# Altium PCB Swarm.PcbDoc (part 1 of 2) (continued)
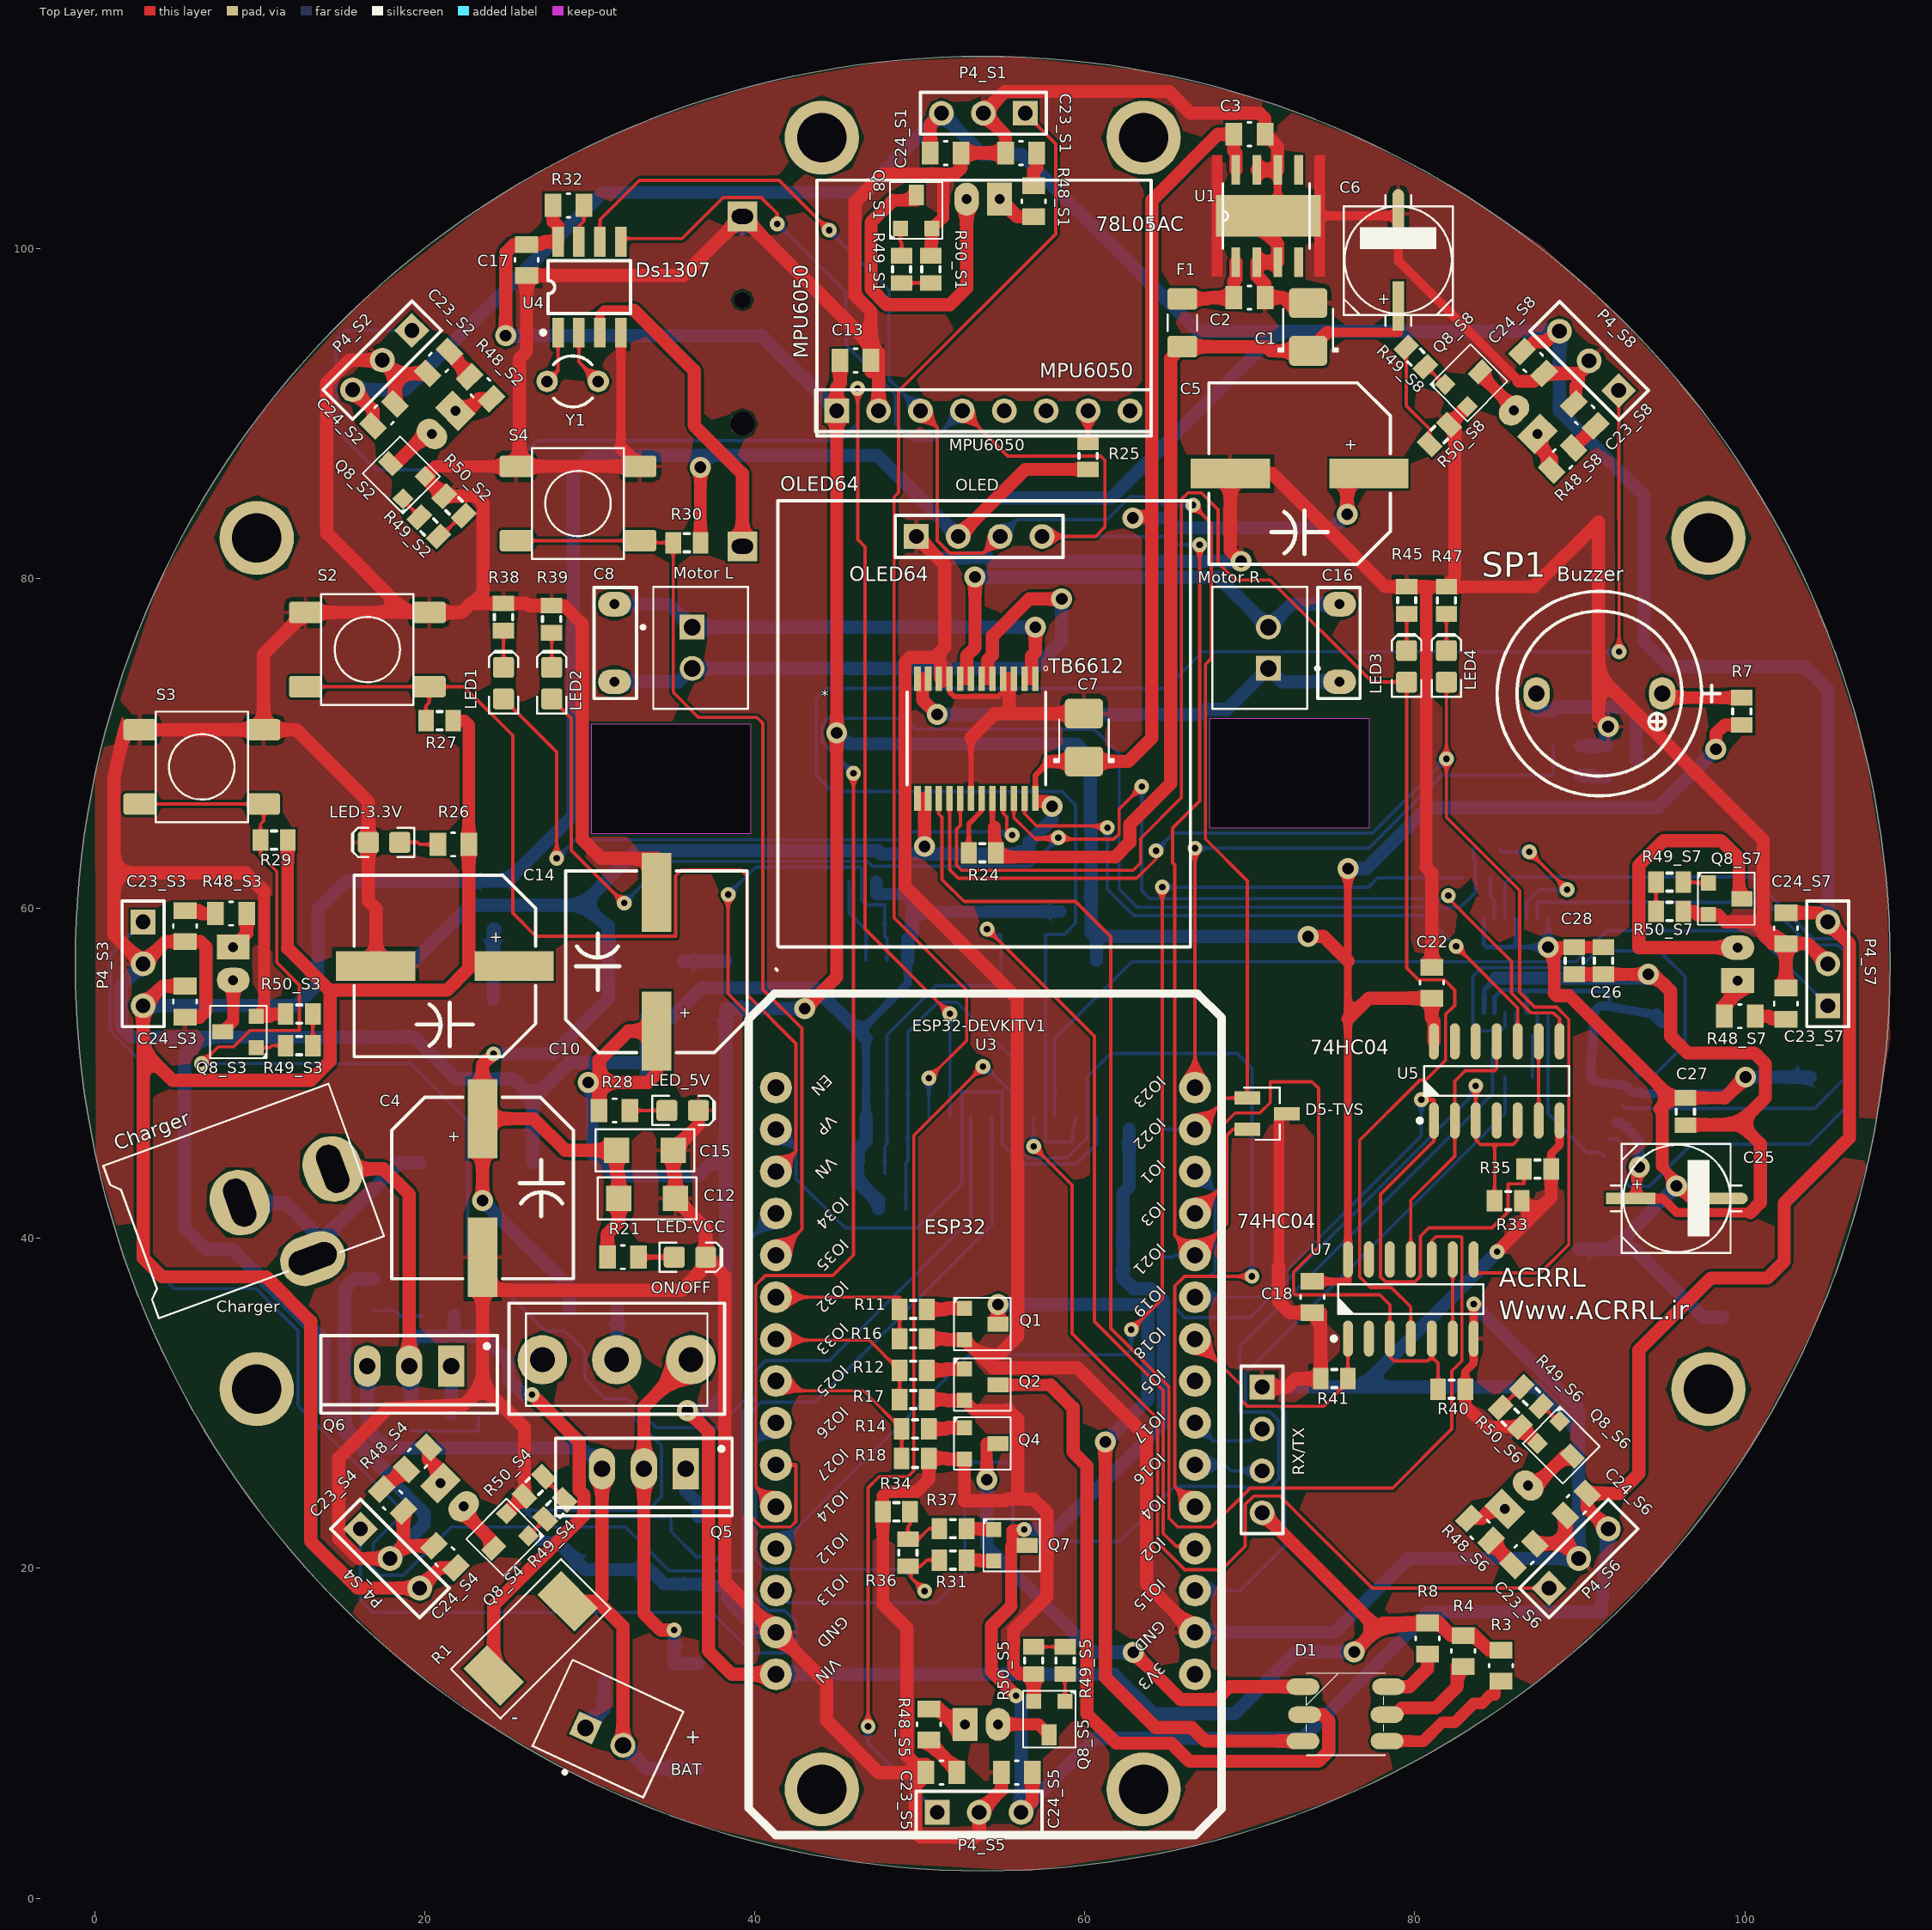
[diagram p0: Top Layer view]
## Components (designator, comment, footprint, x,y, rotation, side; value= is the part's Value field where it differs from the comment) (continued)
OLED "Oled" HDR1X4 49.784,82.55 r0 top
ON/OFF "ON-ON" SWITCH_SPDT_SLIDER 31.623,32.639 r0 top (schematic designator S1)
P4_S1 "IR_VS1838" HDR1X3 56.388,108.204 r180 top (schematic designator P4)
P4_S2 "IR_VS1838" HDR1X3 19.213,95.032 r225 top (schematic designator P4)
P4_S3 "IR_VS1838" HDR1X3 2.921,59.182 r270 top (schematic designator P4)
P4_S4 "IR_VS1838" HDR1X3 16.093,22.388 r315 top (schematic designator P4)
P4_S5 "IR_VS1838" HDR1X3 51.054,5.207 r0 top (schematic designator P4)
P4_S6 "IR_VS1838" HDR1X3 88.138,18.796 r45 top (schematic designator P4)
P4_S7 "IR_VS1838" HDR1X3 105.029,54.102 r90 top (schematic designator P4)
P4_S8 "IR_VS1838" HDR1X3 92.361,91.4 r135 top (schematic designator P4)
Q1 "MMBT2222" SOT23-BCE 52.705,35.763 r0 top
Q2 "MMBT2222" SOT23-BCE 52.705,32.08 r0 top
Q3 "MMBT2222" SOT23-BCE 91.567,67.945 r0 bottom
Q4 "MMBT2222" SOT23-BCE 52.705,28.524 r0 top
Q5 "TIP42C" "TO-220 AB" 33.274,26.035 r180 top
Q6 "TIP41C" "TO-220 AB" 19.05,32.258 r180 top
Q7 "MMBT2222" SOT23-BCE 54.483,22.352 r0 top
Q8_S1 "MMBT2222" SOT23-BCE 48.819,101.219 r90 top (schematic designator Q8)
Q8_S2 "MMBT2222" SOT23-BCE 18.669,84.836 r135 top (schematic designator Q8)
Q8_S3 "MMBT2222" SOT23-BCE 9.779,51.562 r180 top (schematic designator Q8)
Q8_S4 "MMBT2222" SOT23-BCE 26.289,21.971 r225 top (schematic designator Q8)
Q8_S5 "MMBT2222" SOT23-BCE 58.801,11.938 r270 top (schematic designator Q8)
Q8_S6 "MMBT2222" SOT23-BCE 88.781,28.916 r315 top (schematic designator Q8)
Q8_S7 "MMBT2222" SOT23-BCE 97.79,61.544 r0 top (schematic designator Q8)
Q8_S8 "MMBT2222" SOT23-BCE 81.838,91.771 r45 top (schematic designator Q8)
R1 "7R5" 2512R-GENERIC 26.416,15.748 r45 top
R2 "330" 0805 20.828,35.306 r0 bottom value=1k
R3 "330" 0805 85.217,14.097 r270 top
R4 "330" 0805 82.931,14.986 r270 top
R5 "10K" "RES 0805 (2012X06L)" 36.449,20.7 r270 bottom
R6 "100" "RES 0805 (2012X06L)" 19.177,28.321 r90 bottom
R7 "100" "RES 0805 (2012X06L)" 99.822,71.121 r90 top
R8 "330" 0805 80.772,15.748 r270 top
R9 "100" "RES 0805 (2012X06L)" 36.576,23.114 r180 bottom
R10 "7R5" 2512R-GENERIC 36.576,11.049 r90 bottom
R11 "100" "RES 0805 (2012X06L)" 48.768,35.687 r0 top
R12 "100" "RES 0805 (2012X06L)" 48.768,32.004 r0 top
R13 "100" "RES 0805 (2012X06L)" 90.043,68.072 r180 bottom
R14 "100" "RES 0805 (2012X06L)" 48.896,28.448 r0 top
R15 "100" "RES 0805 (2012X06L)" 21.591,29.337 r0 bottom
R16 "10K" "RES 0805 (2012X06L)" 48.769,33.909 r0 top
R17 "10K" "RES 0805 (2012X06L)" 48.769,30.226 r0 top
R18 "10K" "RES 0805 (2012X06L)" 48.896,26.67 r0 top
R19 "10K" "RES 0805 (2012X06L)" 88.392,69.85 r0 bottom
R20 "10K" "RES 0805 (2012X06L)" 38.354,20.574 r270 bottom
R21 "330" 0805 32.004,38.862 r180 top
R22 "4.7k" 0805 63.627,46.609 r0 bottom
R23 "4.7k" 0805 63.246,38.862 r0 bottom
R24 "0" SMD_RES_0805 52.96,63.373 r0 top
R25 "0" SMD_RES_0805 60.198,86.614 r90 top
R26 "330" 0805 21.717,63.881 r0 top
R27 "10K" "RES 0805 (2012X06L)" 21.716,71.374 r180 top
R28 "330" 0805 31.496,47.752 r180 top
R29 "10K" "RES 0805 (2012X06L)" 11.684,64.135 r180 top
R30 "10K" "RES 0805 (2012X06L)" 36.702,82.169 r180 top
R31 "0" "RES 0805 (2012X06L)" 52.832,20.498 r180 top
R32 "4.7k" 0805 28.702,102.616 r0 top
R33 "10K" "RES 0805 (2012X06L)" 84.836,42.291 r0 top
R34 "10K" "RES 0805 (2012X06L)" 49.403,23.419 r180 top
R35 "10K" "RES 0805 (2012X06L)" 86.614,44.196 r0 top
R36 "0" "RES 0805 (2012X06L)" 49.276,21.768 r270 top
R37 "100" "RES 0805 (2012X06L)" 52.831,22.403 r180 top
R38 "330" "RES 0805 (2012X06L)" 24.765,76.835 r90 top
R39 "330" "RES 0805 (2012X06L)" 27.686,76.709 r90 top
R40 "10K" "RES 0805 (2012X06L)" 81.408,30.861 r0 top
R41 "10K" "RES 0805 (2012X06L)" 75.946,31.496 r180 top
R42 "10K" "RES 0805 (2012X06L)" 47.499,41.783 r0 bottom
R43 "10K" "RES 0805 (2012X06L)" 46.228,43.942 r0 bottom
R44 "10K" "RES 0805 (2012X06L)" 49.529,59.69 r180 bottom
R45 "330" "RES 0805 (2012X06L)" 79.502,77.852 r90 top
R46 "0" "RES 0805 (2012X06L)" 47.371,61.595 r180 bottom
R47 "330" "RES 0805 (2012X06L)" 81.915,77.851 r90 top
R48_S1 "330" 0805 56.896,102.87 r270 top (schematic designator R48)
R48_S2 "330" 0805 23.368,91.567 r315 top (schematic designator R48)
R48_S3 "330" 0805 8.255,59.69 r0 top (schematic designator R48)
R48_S4 "330" 0805 19.558,26.67 r45 top (schematic designator R48)
R48_S5 "330" 0805 50.546,10.541 r90 top (schematic designator R48)
R48_S6 "330" 0805 83.947,22.352 r135 top (schematic designator R48)
R48_S7 "330" 0805 99.695,53.467 r180 top (schematic designator R48)
R48_S8 "330" 0805 88.95,87.25 r225 top (schematic designator R48)
R49_S1 "100" "RES 0805 (2012X06L)" 48.895,97.918 r90 top (schematic designator R49)
R49_S2 "100" "RES 0805 (2012X06L)" 20.828,82.55 r135 top (schematic designator R49)
R49_S3 "100" "RES 0805 (2012X06L)" 13.208,51.689 r180 top (schematic designator R49)
R49_S4 "100" "RES 0805 (2012X06L)" 28.472,24.154 r225 top (schematic designator R49)
R49_S5 "100" "RES 0805 (2012X06L)" 58.801,15.239 r270 top (schematic designator R49)
R49_S6 "100" "RES 0805 (2012X06L)" 86.487,30.988 r315 top (schematic designator R49)
R49_S7 "100" "RES 0805 (2012X06L)" 94.616,61.595 r0 top (schematic designator R49)
R49_S8 "100" "RES 0805 (2012X06L)" 79.478,94.004 r315 top (schematic designator R49)
R50_S1 "10K" "RES 0805 (2012X06L)" 50.673,97.918 r90 top (schematic designator R50)
R50_S2 "10K" "RES 0805 (2012X06L)" 22.352,83.82 r135 top (schematic designator R50)
R50_S3 "10K" "RES 0805 (2012X06L)" 13.207,53.594 r180 top (schematic designator R50)
R50_S4 "10K" "RES 0805 (2012X06L)" 27.202,25.551 r225 top (schematic designator R50)
R50_S5 "10K" "RES 0805 (2012X06L)" 56.896,15.239 r270 top (schematic designator R50)
R50_S6 "10K" "RES 0805 (2012X06L)" 85.193,29.742 r315 top (schematic designator R50)
R50_S7 "10K" "RES 0805 (2012X06L)" 94.616,59.817 r0 top (schematic designator R50)
R50_S8 "10K" "RES 0805 (2012X06L)" 80.899,88.138 r45 top (schematic designator R50)
R51 "3.3K" "RES 0805 (2012X06L)" 82.931,61.849 r0 bottom
R52 "3.3K" "RES 0805 (2012X06L)" 83.567,63.627 r0 bottom
R53 "3.3K" "RES 0805 (2012X06L)" 86.359,51.562 r180 bottom
R54 "3.3K" "RES 0805 (2012X06L)" 85.471,49.784 r0 bottom
RX/TX "" HDR1X4 70.739,30.988 r270 top
S2 "TS-1170S-WP" TS-1170S 16.51,75.692 r0 top
S3 "TS-1170S-WP" TS-1170S 6.477,68.58 r0 top
S4 "TS-1170S-WP" TS-1170S 29.277,84.546 r0 top
SP1 "" "BUZZER 7.62mm DC" 91.186,73.025 r180 top
U1 "MC78L05ACDG 5V Regulator" 78L05CD15V5V_LIB 71.12,101.981 r90 top
U2_3.3v "LM1117IMP-3.3V" TO-252 20.755,54.483 r90 bottom
U3 "ESP32-DEVKITC-32D" MODULE_ESP32-DEVKITV1 53.975,28.575 r180 top
U4 "DS1307ZN+" SOIC-8 29.972,97.663 r90 top
U5 "74HC04D,653" SOIC127P600X175-14AN 84.963,49.543 r90 top
U6 "CD4067BM96G4" CD4067BM_SOIC-24 54.102,52.197 r90 bottom
U7 "74HC04D,653" SOIC127P600X175-14AN 79.756,36.322 r90 top
U8 "74VHC125MTCX-74VHC125MTCX" SOP65P640X120-14N 86.106,56.642 r180 bottom
Y1 "XTAL" R38 28.956,91.948 r90 top

## Footprints (in the part's own frame and the unit in brackets; to place one, negate y for a bottom-side part, rotate by r counter-clockwise, add the part's x,y. Pads: shape width x height; smd on the part's side, far side on the other; paste and mask are expansions set on the pad)
78L05CD15V5V_LIB [mm]
  rect 1.8x0.533 smd: 1(-2.803,1.97) 2(-2.803,0.7) 3(-2.803,-0.57) 4(-2.803,-1.84) 5(2.785,-1.84) 6(2.785,-0.57) 7(2.785,0.7) 8(2.785,1.97)
  rect 2.54x6.35 smd paste+0 mask+0: 7(0,0)
  Top Layer region: -3.683,-3.429 3.683,-3.429 3.683,-2.794 -3.683,-2.794
  Top Layer region: -3.683,2.794 3.683,2.794 3.683,3.429 -3.683,3.429
  silkscreen extent -1.99,-2.5 1.97,2.76
0805 [mil]
  rect 40x55 smd: 1(-37,0) 2(37,0)
  silkscreen extent -4,-28 4,28, body extent -47,-28 47,28, height 24
1206C-GENERIC [mil]
  rect 60x60 smd: 1(0,0) 2(135,0)
  silkscreen extent -50,-50 185,50, body extent -8,-29 147,29, height 46
2512R-GENERIC [mil]
  rect 80x125 smd: 1(-125,0) 2(125,0)
  silkscreen extent -186,-84 185,83, body extent -139,-60 136,61, height 19
"5050 LED package" [mm] "DESIGNER ABBAS BASEREH"
  oval 2x1 smd: 1(2.6,-1.65) 2(2.5,0.05) 3(2.6,1.65) 4(-2.5,1.65) 5(-2.5,0.05) 6(-2.6,-1.65)
  silkscreen extent -2.41,-2.49 2.4,2.51, body extent -2.75,-2.5 2.75,2.5, height 1.55
BTH1220 [mm] "COIN CELL BATTERY HOLDER 1220 12mm CR1220"
  round 1.5 hole 1.5 unplated: 0(-2.563,0)
  round 1 hole 1 unplated: 0(4.93,0)
  rect 1.8x1.8 hole 0.9 slot 1.3 at 90 deg: 1(-10,0) 2(10,0)
  rect 4.5x3 smd: 1(-7.3,0)
  rect 3x3 smd: 2(9.2,0)
  silkscreen extent -11.4,-11 12.3,11, body extent -8.46,-7.39 10.34,7.36, height 4.28
"BUZZER 7.62mm DC" [mm] "BUZZER 12mm DIA , 7.62mm pitch DESIGNER ABBAS BASEREH"
  oval 1.6x2 hole 1: 1(-3.81,0) 2(3.81,0)
  silkscreen extent -7.3,-6.2 6.2,6.2, body extent -6,-6 6,6, height 9.5
"Cap - 100nF - 2" [mm]
  oval 1.5x2 hole 0.6: 1(0,0) 2(4.7,0)
  silkscreen extent -1.02,-1.33 5.72,1.24, body extent -0.75,-1.2 5.55,1.2, height 6.84
"CAP SMD 1000UF 16V" [mm]
  rect 4.8x1.8 smd: 1(4.2,0) 2(-4.2,0)
  silkscreen extent -5.5,-5.5 5.5,5.5
CAPMP3528X210N [mm] "Molded body capacitor, Body 3.5x2.8mm, 1210, IPC Nominal settings"
  round 0.254 on Mech15: 0(0,0)
  rrect25% 1.8x2.3 smd: 1(-1.45,0) 2(1.45,0)
  Top Layer pour cut-out: -0.508,1.27 0.508,1.27 0.508,-1.27 -0.508,-1.27
  silkscreen extent -1.5,-1.8 1.1,1.8, body extent -1.75,-1.4 1.75,1.4, height 2.1
CD4067BM_SOIC-24 [mil]
  rect 100x24 smd: 1(-190,260) 2(-190,210) 3(-190,160) 4(-190,110) 5(-190,60) 6(-190,10) 7(-190,-40) 8(-190,-90) 9(-190,-140) 10(-190,-190) 11(-190,-240) 12(-190,-290) 13(183.54,-290) 14(183.54,-240) 15(183.54,-190) 16(183.54,-140) 17(183.54,-90) 18(183.54,-40) 19(183.54,10) 20(183.54,60) 21(183.54,110) 22(183.54,160) 23(183.54,210) 24(183.54,260)
  silkscreen extent -196,-321 128,295
CONN_PWR_JACK_2.1x5.5mm [mm] "Power Connector, 2.1mm ID, 5.5mm OD"
  oval 4x3.5 hole 1.5 slot 3 at 0 deg: 1(0,-13.7) 2(0,-7.7)
  oval 3x4 hole 1.5 slot 3 at 90 deg: 3(-4.7,-10.7)
  silkscreen extent -4.9,-15.23 4.93,-0.7, body extent -4.9,-14.1 4.5,0, height 11
DIODE-SMC [mil]
  rect 80x150 smd: A(-19.68,0) K(-288.74,0)
  silkscreen extent -365,-130 55,130, body extent -309,-118 2,118, height 84
HDR1X3 [mm] "Connector; Header; 3 Position"
  rect 1.5x1.5 hole 0.9: 1(0,0)
  round 1.5 hole 0.9: 2(2.54,0) 3(5.08,0)
  silkscreen extent -1.27,-1.27 6.35,1.27
HDR1X4 [mm] "Connector; Header; 4 Position"
  rect 1.5x1.5 hole 0.9: 1(0,0)
  round 1.5 hole 0.9: 2(2.54,0) 3(5.08,0) 4(7.62,0)
  silkscreen extent -1.27,-1.27 8.89,1.27, body extent -1.27,-1.28 8.89,1.26, height 8.38
HDR1X8 [mm] "Connector; Header; 8 Position"
  rect 1.5x1.5 hole 0.9: 1(0,0)
  round 1.5 hole 0.9: 2(2.54,0) 3(5.08,0) 4(7.62,0) 5(10.16,0) 6(12.7,0) 7(15.24,0) 8(17.78,0)
  silkscreen extent -1.27,-1.27 19.05,1.27
JST_B2B-XH-A(LF)(SN) [mm]
  rect 1.508x1.508 hole 1: 1(-1.25,-0.525)
  round 1.508 hole 1: 2(1.25,-0.525)
  silkscreen extent -3.7,-3.6 3.7,2.88, body extent -3.7,-2.85 3.7,2.9, height 7.1
LED5mm_IR [mm]
  rect 1.5x2 hole 0.6: 1(0,0)
  oval 1.5x2 hole 0.6: 2(2,0)
  silkscreen extent -1.6,-2.6 3.13,2.6
LED-0805-K [mil]
  round 20 on Mech15: 0(0,0)
  rrect25% 50x50 smd: A(-37.5,0) K(37.5,0)
  Top Layer pour cut-out: -15,30 15,30 15,-30 -15,-30
  silkscreen extent -72,-35 77,35, body extent -39,-25 39,25, height 31
MODULE_ESP32-DEVKITV1 [mil]
  round 76 / inner round 60 / far side round 76 hole 39.37: 1(-500,590.55) 2(-500,490.55) 3(-500,390.55) 4(-500,290.55) 5(-500,190.55) 6(-500,90.55) 7(-500,-9.45) 8(-500,-109.45) 9(-500,-209.45) 10(-500,-309.45) 11(-500,-409.45) 12(-500,-509.45) 13(-500,-609.45) 14(-500,-709.45) 15(-500,-809.45) 16(500,-809.45) 17(500,-709.45) 18(500,-609.45) 19(500,-509.45) 20(500,-409.45) 21(500,-309.45) 22(500,-209.45) 23(500,-109.45) 24(500,-9.45) 25(500,90.55) 26(500,190.55) 27(500,290.55) 28(500,390.55) 29(500,490.55) 30(500,590.55)
  silkscreen extent -563,-1034 565,974, body extent -560,-1027 562,978, height 283
PANACAP-D-GENERIC [mm]
  rect 3x0.7 smd: +(-2.794,0)
  oval 3x0.7 smd: -(2.794,0)
  silkscreen extent -4,-3.3 3.93,3.3, body extent -3.5,-3.3 3.5,3.3, height 5.4
PSM12___SOT23 [mil]
  rect 61.42x31.5 smd: 1(-45,34.8) 2(-45,-40) 3(49.48,-2.6)
  silkscreen extent -53,-65 32,60
R38 [mm] "Crystal, Thru-Hole; 2 Leads; Body 3.1 x 8.2 mm (Dia.xH)"
  round 1.3 hole 0.7: 1(0,1.55) 2(0,-1.55)
  silkscreen extent -1.55,-1.19 1.55,1.17
"RES 0805 (2012X06L)" [mm] "Chip Resistor, 2-Leads, Body 2.0x1.3mm, IPC High Density _ (0.100 W)"
  rect 0.95x1.3 smd: 1(0,0) 2(1.65,0)
  silkscreen extent 0.67,-0.55 0.98,0.55, body extent -0.19,-0.63 1.84,0.64, height 0.6
RESC3216X70N [mm] "Chip Resistor, Body 3.2x1.6mm, EIA 1206, IPC Medium Density"
  round 0.508 on Mech15: 0(0,0)
  rrect25% 1.3x1.8 smd: 1(-1.45,0) 2(1.45,0)
  silkscreen extent -0.51,-0.89 0.51,0.89, body extent -1.62,-0.82 1.63,0.83, height 0.69
SMD_CAP_0805 [mm]
  rect 0.95x1.3 smd: 1(0,0) 2(1.65,0)
  silkscreen extent 0.68,-0.55 0.97,0.55, body extent -0.19,-0.64 1.84,0.63, height 0.65
SMD_RES_0805 [mm] "Chip Resistor, 2-Leads, Body 2.0x1.3mm, IPC High Density _ (0.100 W)"
  rect 0.95x1.3 smd: 1(0,0) 2(1.65,0)
  silkscreen extent 0.67,-0.55 0.98,0.55, body extent -0.19,-0.63 1.84,0.64, height 0.6
SOIC127P600X175-14AN [mm] "SOIC, 1.27mm pitch, 14 pin, Body 8.65x3.90mm"
  round 1 on Mech15: 0(0,0)
  oval 2.2x0.6 smd: 1(-2.4,3.81) 2(-2.4,2.54) 3(-2.4,1.27) 4(-2.4,0) 5(-2.4,-1.27) 6(-2.4,-2.54) 7(-2.4,-3.81) 8(2.4,-3.81) 9(2.4,-2.54) 10(2.4,-1.27) 11(2.4,0) 12(2.4,1.27) 13(2.4,2.54) 14(2.4,3.81)
  silkscreen extent -2.52,-4.4 0.9,4.78, body extent -3.01,-4.32 3.01,4.33, height 1.75
SOIC-8 [mm] "SOIC, 8-Leads, Body 4/90x3/90mm, Pitch 1/27mm, IPC Medium Density"
  rect 1.8x0.7 smd: 1(-2.75,1.905) 2(-2.75,0.635) 3(-2.75,-0.635) 4(-2.75,-1.905) 5(2.75,-1.905) 6(2.75,-0.635) 7(2.75,0.635) 8(2.75,1.905)
  silkscreen extent -2.87,-2.5 1.6,2.93, body extent -3.05,-2.5 3.05,2.5, height 1.75
SOP65P640X120-14N [mil]
  rect 14x60 smd: 1(76.03,106.89) 2(50.44,106.88) 3(24.84,106.88) 4(-0.74,106.88) 5(-26.34,106.88) 6(-51.94,106.88) 7(-77.53,106.89) 8(-77.52,-116.33) 9(-51.94,-116.33) 10(-26.34,-116.34) 11(-0.74,-116.34) 12(24.84,-116.34) 13(50.43,-116.34) 14(76.03,-116.33)
  silkscreen extent -101,-93 100,163
SOT23-BCE [mil]
  rect 36x36 smd: B(0,0) E(0,-75)
  rect 50x36 smd: C(80,-38)
  silkscreen extent -25,-100 110,25, body extent -3,-95 94,20, height 41
SOT23-DIODE [mm] "SOT23 WITH A/K PIN NUMBERS"
  rect 0.9x0.7 smd: A(0,0) K(2.032,-0.965) NC(0,-1.9)
  silkscreen extent -0.63,-2.54 2.8,0.64, body extent -0.1,-2.41 2.34,0.51, height 1.33
Ssop24_SOP65P760X160-24N [mm]
  rect 1.5x0.4 smd: 1(-3.625,3.575) 2(-3.625,2.925) 3(-3.625,2.275) 4(-3.625,1.625) 5(-3.625,0.975) 6(-3.625,0.325) 7(-3.625,-0.325) 8(-3.625,-0.975) 9(-3.625,-1.625) 10(-3.625,-2.275) 11(-3.625,-2.925) 12(-3.625,-3.575) 13(3.625,-3.575) 14(3.625,-2.925) 15(3.625,-2.275) 16(3.625,-1.625) 17(3.625,-0.975) 18(3.625,-0.325) 19(3.625,0.325) 20(3.625,0.975) 21(3.625,1.625) 22(3.625,2.275) 23(3.625,2.925) 24(3.625,3.575)
  silkscreen extent -4.38,-4.2 2.8,4.33
SWITCH_SPDT_SLIDER [mm] "TE Connectivity SLS121PC04 SPDT slider"
  round 3 hole 1.5: 1(-4.5,0) 2(0,0) 3(4.5,0)
  silkscreen extent -5.5,-2.8 5.5,2.8, body extent -5.5,-2.79 5.5,2.79, height 10.01
TFP09-2-12B-MOD [mm]
  rect 0.7x1.6 smd: 1(1.231,5.951) 2(0.131,5.951) 3(-0.969,5.951) 4(-2.069,5.951) 5(-3.169,5.951) 6(-4.269,5.951) 7(-5.369,5.951) 8(-6.469,5.951) 9(-7.569,5.951)
  rect 1x1.4 smd: 10(-8.769,5.451)
  rect 1.2x2.2 smd: 11(-8.669,-4.149) 12(6.831,-4.149)
  rect 1.6x1.4 smd: 13(5.931,5.451)
  round 1 smd: 14(-5.849,-4.549) 15(2.131,-4.549)
  silkscreen extent -8.42,-7.55 6.58,6.95
"TO-220 AB" [mm] "Epoxy meets UL94, V0-Design:Abbas Basereh"
  rect 1.6x2.5 hole 1: 1(-2.54,0)
  oval 1.6x2.5 hole 1: 2(0,0) 3(2.54,0)
  silkscreen extent -5.35,-1.85 5.35,2.85, body extent -5.08,-1.65 5.08,2.92, height 18.54
TO-252 [mm] "D-PAK/TO-252-AA; 3 Leads (1 Cropped); Body 10.1 (inc. leads) x 6.6 mm (LxW max)"
  rect 1x2.1 smd: 1(-2.285,-3.375) 3(2.285,-3.375)
  rect 5.4x6.2 smd: 4(0,3.375)
  silkscreen extent -3.08,-4.33 3.08,6.37, body extent -3.27,-4.11 3.27,5.83, height 2.39
TS-1170S [mm] "6.5x6.5mm SMD tact switch 7.0mm stem"
  round 0.508 on Mech15: 0(0,0)
  rrect25% 2x1.3 smd: 1(-3.75,2.25) 1(3.75,2.25) 2(-3.75,-2.25) 2(3.75,-2.25)
  silkscreen extent -2.79,-3.35 2.79,3.35, body extent -4,-3.25 4,3.25, height 7

## Part data
BAT "Motor L" "Motor R": "Connector Header Through Hole 2 position 0.098 _2.50mm_ / JST XH", Package=None, Availability=Unavailable, MF="JST Sales", MP=B2B-XH-A_LF__SN_, Price=None, SnapEDA_Link=https://www.snapeda.com/parts/B2B-XH-A%28LF%29%28SN%29/JST%20Sales%20America%20Inc./view-part/492310/?ref=snap
BT1: library part "Battry Backup", "Battry Backup", Data=16-12-2016, Designer="Abbas Basereh"
C1 C7: library part CAPT_47u_1210_6V3, "Capacitor SMD Tantalum 47uF 20% 6.3V 1210", ESR (Equivalent Series Resistance)="70.0 mOhm", Manufacturer 1="AVX Corporation", Manufacturer Part Number 1=TCJB476M006R0070, Manufacturer Size Code=B, Operating Temperature="-55°C ~ 125°C", Package / Case="1210 (3528 Metric)", Ratings=6.3V, Supplier Part Number 1=478-3139-1-ND, Tolerance=±20%, Voltage - Rated=6V3, ComponentLink1Description=http://www.avx.com/docs/Catalogs/tcj.pdf, ComponentLink1URL=http://www.avx.com/docs/Catalogs/tcj.pdf, Height - Seated (Max)="0.083\" (2.10mm)", Material=Tantalum, SCDType=spec, Size / Dimension="0.138\" L x 0.110\" W (3.50mm x 2.80mm)", Supplier 1=Digi-Key, Type=Molded
C2 C3 C13 C17 C18 C21 C22 C23_S1 C23_S2 C23_S3 C23_S4 C23_S5 C23_S6 C23_S7 C23_S8 C24_S1 C24_S2 C24_S3 C24_S4 C24_S5 C24_S6 C24_S7 C24_S8: library part "CAP 470nF 50V", "CAP CER 0.1UF 50V X7R 0805", Package=0805, Rating=50V, Tolerance=10%
C4 C5 C10 C14: library part "Cap ELECTROLITIC TOTAL SIZE", "Cap electrolitic radial", Data=16-12-2016, Designer="Abbas Basereh"
C6: library part PANACAP-47UF-25V-FK, "GENERIC CAPACITOR POLARISED", Supplier Part Number 1=PCE3804TR-ND, Supplier 1=Digi-Key
C8 C16 C26 C27 C28: library part Cap-Bipolar, "Bipolar Capacitor", Voltage=100V, Adding Date=1387/12/20, Designer="Saeid Jorablo", Organazation=ControTec
C12 C15: library part 1206C-2U2-50V, "CAPACITOR 0603 CERAMIC", Supplier Part Number 1=490-4796-2-ND, REEL=C100, Supplier 1=Digi-Key
C25: library part PANACAP-10UF-50V-FK, "GENERIC CAPACITOR POLARISED", Supplier Part Number 1=PCE3807TR-ND, Supplier 1=Digi-Key
Charger: "Power Connector, THT, 2.1mm ID, 5.5mm OD", Manufacturer 1="CUI Inc", Manufacturer Part Number 1=PJ-102AH, Package / Case="PCB mount", Supplier Part Number 1=CP-102AH-ND, Category=Connectors, Mounting Type="Through Hole", SCDType=undef, Supplier 1=Digi-Key
D1: library part "LED SMD 5050 RGB", "SMD 5050 RGB LED", Comment_1="SMD 5050 RGB", ComponentLink1Description="SMD 5050 RGB", ComponentLink1URL=http://www.yuanlei-led.com, ComponentLink2Description=Reference, Design Date=1395/11/10, Designer="Abbas Basereh", HelpURL="probably color of the leds not mached real please check and change", Mounting Technology="Surface Mount", PackageDescription="SMD 5050 RGB", Pin Count=6, Publisher="Abbas Basereh", Status=Unreleased
D2 D4: "Transient Surpression Diode TVS", Supplier Part Number 1=SMCJ120CABTR-ND, Supplier 1=Digi-Key
D3: "GENERIC ZENER DIODE"
D5-TVS: library part SM712.TC, "Asymmetrical TVS Diode for  Extended Common-Mode RS-485", Manufacturer=SEMTECH, Operating Temp="-55 to 125 °C", Storage Temp="-55 to 150 °C", Manufacture Part #=SM712.TC
F1 F2 F3 F4: library part FUSE_160mA_1206, "Fuse 160mA 63VDC 1206 SMD", Manufacturer 1="Holly Fuse", Manufacturer Part Number 1=12T-0160L, Package / Case="1206 (3216 metric)", Ratings="160mA; 63VDC; slow-blow", SCDType=spec
IC1_5v: library part L78M05, "Precision 500mA Regulator"
LED1 LED3 LED_-Charg: library part LED_SMD_Red_0805_6mcd, "LED 0805 SMD Red 6mcd 621nm", Manufacturer 1="Lite-On Inc", Manufacturer Part Number 1=LTST-C171EKT, Package / Case=0805, Ratings="6 mcd; 621 nm", Supplier Part Number 1=160-1422-1-ND, Color=Red, Material="GaAsP on GaP", SCDType=source, Supplier 1=Digi-Key
LED2 LED4 LED-3.3V LED-VCC LED_5V: library part LED_SMD_Green_0805_6mcd, "LED, 0805 SMD, Green", Manufacturer 1=LITE-ON, Manufacturer Part Number 1=LTST-C171GKT, Package / Case=0805, Ratings="6 mcd; 569 nm", Supplier Part Number 1=160-1423-1-ND, Color=Green, Material=GaP, SCDType=source, Supplier 1=Digi-Key
LED5_S1 LED5_S2 LED5_S3 LED5_S4 LED5_S5 LED5_S6 LED5_S7 LED5_S8: library part "LED IR", "Infra Red Reciever Photo Diode", Adding Date=1387/12/22, Designer="Saeid Jorablo", Organazation=ControTec
MPU6050: library part "Header 8", "Header, 8-Pin", LatestRevisionDate=17-Jul-2002, LatestRevisionNote="Re-released for DXP Platform.", Publisher="Altium Limited"
OLED RX/TX: library part "Header 4", "Header, 4-Pin", LatestRevisionDate=17-Jul-2002, LatestRevisionNote="Re-released for DXP Platform.", Publisher="Altium Limited"
ON/OFF: library part SW_THD_SPDT_On-On, "Switch THD vertical toggle SPDT", Contact Rating @ Voltage="0.25A @ 125VAC", Manufacturer 1="TE Connectivity", Manufacturer Part Number 1=SLS121PC04, Supplier Part Number 1=450-1598-ND, Circuit=SPDT, Mounting Type="PCB mount", SCDType=spec, Supplier 1=Digi-Key, Switch Function=On-On
P4_S1 P4_S2 P4_S3 P4_S4 P4_S5 P4_S6 P4_S7 P4_S8: library part "Header 3", "Header, 3-Pin", LatestRevisionDate=17-Jul-2002, LatestRevisionNote="Re-released for DXP Platform.", Publisher="Altium Limited"
Q1 Q2 Q3 Q4 Q7 Q8_S1 Q8_S2 Q8_S3 Q8_S4 Q8_S5 Q8_S6 Q8_S7 Q8_S8: "BC847 SMALL SIGNAL NPN TRANSISTOR", Supplier Part Number 1=MMBT2222A-FDICT-ND, Supplier 1=Digi-Key
Q5: "PNP  power transistor", Manufacturer=STMicroelectronics, Desc.="Complementary power transistors", Designer="Abbas Basereh", Link=https://www.aliexpress.com/item/, Part. No=TIP42C
Q6: "NPN  power transistor", Manufacturer=STMicroelectronics, Desc.="Complementary power transistors", Designer="Abbas Basereh", Link=https://www.aliexpress.com/item/, Part. No=TIP41C
R1 R10: library part 2512R-7R5, "GENERIC RESISTOR 2512", Manufacturer=Vishay/Dale, Manufacturer Part Number=CRCW25127R50JNEG, Supplier Part Number 1=541-7.5XDKR-ND, REEL=R20, Supplier 1=Digi-Key
R2: library part "RES 1k 1/8W - 1%", "RES SMD 1K OHM 1% 1/8W 0603/0805", Package=0805, Power (Watts)=0.125W, Tolerance=1%
R3 R4 R8 R21 R26 R28 R48_S1 R48_S2 R48_S3 R48_S4 R48_S5 R48_S6 R48_S7 R48_S8: library part "RES 330.0 1/8W - 1%", "RES SMD 330 OHM 1% 1/8W 0805", Package=0805, Rating=0.125W, Tolerance=1%
R5 R6 R7 R9 R11 R12 R13 R14 R15 R16 R17 R18 R19 R20 R24 R25 R27 R29 R30 R31 R33 R34 R35 R36 R37 R38 R39 R40 R41 R42 R43 R44 R45 R46 R47 R49_S1 R49_S2 R49_S3 R49_S4 R49_S5 R49_S6 R49_S7 R49_S8 R50_S1 R50_S2 R50_S3 R50_S4 R50_S5 R50_S6 R50_S7 R50_S8 R51 R52 R53 R54: library part Resistor, "Resistor", Power="1/8 W", Tolerance=5%
R22 R23 R32: library part "RES 4.7k 1/8W - 5%", "RES SMD 4.7k OHM 5% 1/8W 0805", Package=0805, Power (Watts)=0.125W, Tolerance=5%
S2 S3 S4: library part SW_SMD_PB_7.0mm, "Switch SMD Tact 7.0mm Stem", Manufacturer 1=Bond-Tact, Manufacturer Part Number 1=TS-1170S-WP-200, Package / Case="6.5x6.5mm; 7.0mm stem", ComponentLink1Description=http://www.bondtact.com.hk/zaspx/productd.aspx?catno=3&subcatid=3&PageNo=2&productno=40, ComponentLink1URL=http://www.bondtact.com.hk/zaspx/productd.aspx?catno=3&subcatid=3&PageNo=2&productno=40, Function=On/Off, SCDType=source
SP1: library part "PIEZO BUZZER", "PIEZO BUZZER ACTIVE", Comment_1="SPEAKER AND BEEP", ComponentLink2Description=Reference, Design Date=1395/11/14, Designer="Abbas Basereh", Mounting Technology=THD, PackageDescription=THD, Pin Count=2, Publisher="Abbas Basereh", Status=Unreleased
U2_3.3v: library part LM1117IMP-x.x, "x.x Volt, 800mA Low-Dropout Linear Regulator, 4-pin SOT-223", Manufacturer="National Semiconductor", PackageTopMarking=XYTT*N05B, PartNumber=LM1117IMP-3.3, PowerWise=N, Supplier Part Number 1=7614123, Code_IPC=SOT223-4, Code_JEDEC=TO-261-AA, ComponentLink1Description="LM1117 Datasheet", ComponentLink1URL=http://www.national.com/ds/LM/LM1117.pdf, ComponentLink2Description="LM1117 Web Page", ComponentLink2URL=http://www.national.com/pf/LM/LM1117.html, ComponentLink3Description="MP04A Package Page", ComponentLink3URL=http://www.national.com/packaging/folders/mp04a.html, CompType="LDO IC", DatasheetVersion=Apr-2006, PackageDescription="Molded SOT-223, 6.50 x 3.56 x 1.6mm Body, 4 Lead, 2.3mm Pitch", PackageReference=MP04A, PackageVersion="revB, Apr-2003", PinCount=4, Published=4-Dec-2008, Publisher="Altium Limited", RoHS=N, Supplier 1=Farnell
U3: "Eval Board For Esp-Wroom-32", Package=None, Availability=Unavailable, MF="Espressif Systems", MP=ESP32-DEVKITC-32D, Price=None, SnapEDA_Link=https://www.snapeda.com/parts/ESP32-DEVKITC-32D/Espressif%20Systems/view-part/?ref=snap
U5 U7: "Inverter IC 6 Channel 14-SO", Package="SO14-14 Nexperia USA Inc.", Availability=Good, Check_prices=https://www.snapeda.com/parts/74HC04D,653/Nexperia/view-part/1784153/?ref=eda, MF="Nexperia USA", MP=74HC04D,653, Price=None, Purchase-URL=https://pricing.snapeda.com/search/part/74HC04D,653/?ref=eda, SnapEDA_Link=https://www.snapeda.com/parts/74HC04D,653/Nexperia/view-part/1784153/?ref=snap
Y1: "Crystal Oscillator", LatestRevisionDate=17-Jul-2002, LatestRevisionNote="Re-released for DXP Platform.", PackageDescription="Crystal, Thru-Hole; 2 Leads; Body 3.1 x 8.2 mm (Dia.xH)", PackageReference=R38, Published=8-Jun-2000, Publisher="Altium Limited"

## Free pads (board coordinates)
  round 4.5 hole 3: 6(9.811,82.457) 7(9.811,30.857) 8(44.054,106.717) 9(63.553,106.717) 10(97.796,82.457) 11(97.796,30.857) 12(63.553,6.598) 13(44.054,6.598)

## Via types
v1: diameter 0.9, hole 0.4, Top Layer to Bottom Layer, 41 vias
v2: diameter 1.27, hole 0.711, Top Layer to Bottom Layer, 30 vias

## Nets (pads, with @x,y where several pads share a name; then routed paths per layer and width w, separated by ;. In a path a pad name is that pad's centre, name@x,y a point inside that pad or via, vN(x,y) a via of type N, cw(c..) or ccw(c..) an arc to the next point about the centre after c; other vN are vias at no path point)
3.3V: C14.1 C24_S1.2 C24_S2.2 C24_S3.2 C24_S4.2 C24_S5.2 C24_S6.2 C24_S7.2 C24_S8.2 F4.1 OLED.2 P4_S1.3 P4_S2.3 P4_S3.3 P4_S4.3 P4_S5.3 P4_S6.3 P4_S7.3 P4_S8.3 Q7.C R22.1 R23.1 R25.1 R26.2 R27.1 R29.1 R30.1 | length 518.3
  Top Layer w0.732: 55.524,17.704 55.524,21.311 55.601,21.387 ; v1(56.326,22.352) 56.294,22.32 55.626,22.32 55.601,22.294 55.601,21.387 ; Q7.C@56.515,21.387 55.601,21.387
  Top Layer w0.76: 11.684,57.582 R29.1@11.684,64.135 ; R27.1@21.716,71.374 22.403,71.374 22.657,71.12 R26.2@22.657,63.881 ; R30.1@36.702,82.169 v2(36.702,86.741) ; 56.388,86.614 R25.1@60.198,86.614
  Top Layer w0.8: C24_S3.2@5.461,55.296 4.115,55.296 P4_S3.3@2.921,54.102 2.921,51.359 ; 11.684,57.582 14.224,55.042 14.249,55.042 ; P4_S2.3@15.621,91.44 16.861,90.2 C24_S2.2@16.861,89.251 ; C24_S4.2@21.874,20.036 20.925,20.036 P4_S4.3@19.685,18.796 15.926,18.796 13.081,21.641 13.081,34.976 10.389,37.668 4.064,37.668 2.921,38.811 2.921,51.359 ; R26.2@22.657,63.881 22.657,56.515 ; C14.1@25.409,56.515 22.657,56.515 ; C24_S1.2@50.622,105.791 50.622,107.518 P4_S1.3@51.308,108.204 ; OLED.2@52.324,82.55 56.388,86.614 ; 55.524,17.704 54.331,16.51 54.331,13.767 v1(55.829,12.268) ; P4_S5.3@56.134,5.207 56.82,5.893 C24_S5.2@56.82,7.62 ; C24_S8.2@86.507,93.756 86.642,93.891 86.795,93.891 87.265,94.361 87.95,94.361 88.581,94.992 P4_S8.3@88.769,94.992 ; P4_S6.3@91.73,22.388 90.454,23.665 C24_S6.2@90.454,24.541 92.384,24.541 93.574,25.73 93.574,33.223 97.942,37.592 101.371,37.592 102.387,38.608 102.387,42.139 106.35,46.101 106.35,57.861 P4_S7.3@105.029,59.182 104.47,59.741 C24_S7.2@102.489,59.741 ; 2.921,51.359 4.69,49.59 13.09,49.59 14.249,50.749 14.249,55.042 ; 14.249,55.042 21.336,55.042 22.657,56.363 22.657,56.515
  Bottom Layer w0.8: P4_S3.3@2.921,54.102 12.192,54.102 13.513,55.423 13.513,59.944 15.217,61.648 F4.1@24.257,61.648 24.994,61.648 28.981,65.636 28.981,86.36 30.074,87.452 37.413,87.452 ; P4_S2.3@15.621,91.44 18.821,91.44 30.785,103.403 46.507,103.403 P4_S1.3@51.308,108.204 53.797,105.715 56.134,105.715 66.857,94.992 71.725,94.992 ; v2(36.702,86.741) 37.413,87.452 ; v1(55.829,12.268) 56.134,11.963 P4_S5.3@56.134,5.207 60.63,9.703 73.194,9.703 80.839,17.348 91.283,17.348 P4_S6.3@91.73,22.388 ; v1(56.326,22.352) 58.301,22.352 64.764,28.815 64.764,36.201 64.008,36.957 62.941,36.957 62.306,37.592 R23.1@62.306,38.862 62.306,42.748 62.687,43.129 R22.1@62.687,46.609 ; P4_S7.3@105.029,59.182 105.029,73.279 103.632,74.676 95.41,74.676 93.886,76.2 93.886,85.031 88.769,90.149 P4_S8.3@88.769,94.992 71.725,94.992 ; 37.413,87.452 47.422,87.452 OLED.2@52.324,82.55 54.661,84.887 61.62,84.887 71.725,94.992
5V: C10.1 C13.2 C17.2 C18.1 C21.2 C22.1 F3.1 MPU6050.1 R3.1 R4.1 R7.1 R8.1 R28.2 R32.1 RX/TX.4 U3.30 U4.8 U5.14 U6.24 U7.14 | length 320.8
  Top Layer w0.48: C18.1@73.787,37.389 75.946,37.389 U7.14@75.946,38.722 75.946,53.289 75.946,56.82 v2(75.946,62.408)
  Top Layer w0.76: 98.247,70.612 98.756,71.121 R7.1@99.822,71.121
  Top Layer w0.8: v2(24.892,94.717) 24.892,99.746 25.4,100.254 C17.2@26.162,100.254 27.026,100.254 27.185,100.413 U4.8@28.067,100.413 28.067,101.346 27.762,101.651 R32.1@27.762,102.616 ; v2(29.896,49.454) 30.556,49.454 ; R28.2@30.556,47.752 30.556,49.454 ; v2(35.916,29.566) 37.186,28.296 37.186,14.997 38.608,13.575 U3.30@41.275,13.575 ; v2(43.028,53.922) 44.958,55.852 v2(44.958,70.637) MPU6050.1@44.958,90.17 44.958,91.592 45.161,91.796 C13.2@45.161,93.218 ; RX/TX.4@70.739,23.368 77.749,16.358 ; v2(73.533,58.293) 74.473,58.293 75.946,56.82 ; 75.946,53.289 77.216,54.559 C22.1@81.026,54.559 81.026,53.315 81.153,53.188 U5.14@81.153,51.943 ; v2(76.327,14.935) 77.749,16.358 ; R3.1@85.217,15.037 84.506,15.037 83.617,15.926 R4.1@82.931,15.926 82.22,15.926 81.458,16.688 R8.1@80.772,16.688 ; v2(98.247,69.647) 98.247,70.612 ; 30.556,49.454 30.556,50.8 32.325,52.569 C10.1@34.036,52.569 34.036,49.962 33.528,49.454 30.556,49.454 ; 77.749,16.358 78.08,16.688 R8.1@80.772,16.688 ; 77.749,16.358 R8.1@80.772,16.688
  Bottom Layer w0.8: v2(24.892,94.717) 40.411,94.717 MPU6050.1@44.958,90.17 ; v2(29.896,49.454) 30.15,49.2 30.15,45.136 31.496,43.79 36.576,43.79 38.227,45.441 ; v2(35.916,29.566) 37.211,29.566 38.227,30.582 38.227,45.441 ; U3.30@41.275,13.575 61.761,13.575 64.16,11.176 69.063,11.176 72.822,14.935 v2(76.327,14.935) ; v2(43.028,53.922) F3.1@38.227,53.922 38.227,45.441 ; v2(44.958,70.637) 45.001,70.637 45.662,69.977 59.487,69.977 60.341,69.123 60.341,64.745 60.376,64.71 C21.2@60.376,59.817 60.376,58.903 ; U6.24@60.706,56.859 60.706,58.166 60.376,58.496 60.376,58.903 ; v2(73.533,58.293) 60.985,58.293 60.579,58.699 60.376,58.903 ; v2(75.946,62.408) 77.068,62.408 80.768,66.107 94.708,66.107 v2(98.247,69.647)
5Vcc_S1: C23_S1.2 R48_S1.1 | length 2.1
  Top Layer w0.8: R48_S1.1@56.896,103.81 56.896,104.699 57.074,104.877 C23_S1.2@57.074,105.791
5Vcc_S2: C23_S2.2 R48_S2.1 | length 2
  Top Layer w0.8: C23_S2.2@21.493,93.756 21.493,93.591 22.703,92.38 R48_S2.1@22.703,92.232
5Vcc_S3: C23_S3.2 R48_S3.1 | length 1.9
  Top Layer w0.8: C23_S3.2@5.461,59.868 6.299,59.868 6.477,59.69 R48_S3.1@7.315,59.69
5Vcc_S4: C23_S4.2 R48_S4.1 | length 2
  Top Layer w0.8: C23_S4.2@17.369,24.795 17.526,24.795 18.737,26.005 R48_S4.1@18.893,26.005
5Vcc_S5: C23_S5.2 R48_S5.1 | length 2.7
  Top Layer w0.8: R48_S5.1@50.546,9.601 50.546,9.449 52.248,7.747 C23_S5.2@52.248,7.62
5Vcc_S6: C23_S6.2 R48_S6.1 | length 2.1
  Top Layer w0.8: R48_S6.1@84.612,21.687 84.612,21.582 85.949,20.244 C23_S6.2@85.949,20.163
5Vcc_S7: C23_S7.2 R48_S7.1 | length 1.9
  Top Layer w0.8: R48_S7.1@100.635,53.467 101.473,53.467 101.651,53.289 C23_S7.2@102.489,53.289
5Vcc_S8: C23_S8.2 R48_S8.1 | length 1.9
  Top Layer w0.8: R48_S8.1@89.615,87.914 90.186,88.486 90.196,88.486 C23_S8.2@90.962,89.251
+3.3V: C25.+ C26.2 C27.2 C28.2 J1.4 U8.14 | length 57.3
  Top Layer w0.56: C25.+@93.091,42.418 C25.+@93.396,42.418 ; v2(93.595,44.323) 93.595,44.131 93.425,43.961 93.425,42.447 C25.+@93.396,42.418 ; 100.337,41.561 95.885,41.561 95.028,42.418 C25.+@93.396,42.418
  Top Layer w0.76: C26.2@91.44,56.007 v2(94.158,56.007) v2@94.488,56.007 ; 100.94,45.72 99.682,46.977 ; 99.682,46.977 99.682,46.863 C27.2@96.393,46.863 99.682,46.977
  Top Layer w0.8: C28.2@89.662,56.007 C26.2@91.44,56.007 ; v2@94.488,56.007 95.504,54.991 95.504,52.248 96.52,51.232 100.584,51.232 101.244,50.571 101.244,48.539 99.682,46.977 ; 100.337,41.561 100.94,42.164 100.94,45.72
  Bottom Layer w0.284: U8.14@84.175,53.687 84.201,53.713 84.201,55.064 84.906,55.769
  Bottom Layer w0.56: J1.4@92.218,47.029 92.487,47.029 93.595,45.922 v2(93.595,44.323)
  Bottom Layer w0.8: 84.906,55.769 93.92,55.769 v2(94.158,56.007)
A: R42.2 U3.5 U6.10 | length 75.9
  Top Layer w0.2: U3.5@66.675,23.735 65.456,24.954 65.456,37.109 66.04,37.694 v1(70.129,37.694)
  Bottom Layer w0.2: R42.2@49.149,41.783 49.149,44.577 49.276,44.704 U6.10@49.276,47.371 49.276,52.491 51.105,54.319 52.234,54.319 56.196,50.357 56.196,45.212 56.54,44.868 58.914,44.868 60.147,46.101 60.147,49.784 61.57,51.206 69.215,51.206 70.129,50.292 v1(70.129,37.694)
B: R43.2 U3.4 U6.11 | length 64
  Top Layer w0.2: v1(54.077,58.75) 60.579,52.248 60.579,34.956 64.75,30.785 64.75,22.118 65.527,21.341 66.529,21.341 U3.4@66.675,21.195
  Bottom Layer w0.2: R43.2@47.878,43.942 47.878,45.568 48.006,45.696 U6.11@48.006,47.371 48.006,52.324 51.003,55.321 54.915,55.321 54.915,58.395 54.432,58.395 v1(54.077,58.75)
Buzz: R13.2 R19.1 U3.15 | length 39.8
  Top Layer w0.2: U3.15@66.675,49.135 v1(66.675,63.652)
  Bottom Layer w0.2: v1(66.675,63.652) 77.216,63.652 81.636,68.072 R13.2@88.393,68.072 88.393,68.936 88.392,68.937 R19.1@88.392,69.85
C: R44.2 U3.25 U6.14 | length 61.8
  Top Layer w0.2: v1(38.379,60.839) 38.379,54.839 39.522,53.696 39.522,23.368 40.386,22.504 42.164,22.504 42.494,22.835 42.494,26.275 U3.25@41.275,26.275
  Bottom Layer w0.2: v1(38.379,60.839) 40.049,62.509 46.457,62.509 46.457,60.503 46.736,60.223 47.879,60.223 R44.2@47.879,59.69 47.879,58.318 48.006,58.191 U6.14@48.006,56.859
CLK: R52.1 U3.26 | length 106
  Top Layer w0.2: U3.26@41.275,23.735 40.056,24.954 40.056,37.16 40.64,37.744 44.729,37.744 45.974,38.989 v1(45.974,68.199)
  Bottom Layer w0.2: v1(45.974,68.199) 44.069,70.104 44.069,71.145 44.45,71.526 49.073,71.526 49.729,70.87 60.575,70.87 62.076,69.369 62.076,61.165 63.111,60.13 ccw(c63.253,60.271) 63.253,60.071 81.509,60.071 cw(c81.509,59.871) 81.607,60.046 81.655,60.019 ccw(c81.752,60.194) 81.752,59.994 81.794,59.994 ccw(c81.794,60.194) 81.891,60.019 81.94,60.046 cw(c82.037,59.871) 82.037,60.071 82.696,60.071 ccw(c82.696,60.271) 82.837,60.13 83.668,60.96 83.668,62.992 83.567,62.992 R52.1@83.567,63.627
Common_IR_Sensor: U3.17 U6.1 | length 35.4
  Bottom Layer w0.2: U3.17@41.275,46.595 42.494,45.376 42.494,43.612 45.466,40.64 49.86,40.64 52.527,43.307 52.527,48.895 54.991,48.895 54.991,45.72 56.193,44.518 59.504,44.518 60.706,45.72 U6.1@60.706,47.371
CS0: R54.1 U3.3 | length 43.7
  Bottom Layer w0.2: U3.3@66.675,18.655 69.43,18.655 72.111,21.336 72.111,29.464 71.73,29.845 69.739,29.845 69.739,31.842 85.471,47.574 R54.1@85.471,49.784
DI: J1.3 U8.3 | length 53.7
  Bottom Layer w0.2: U8.3@85.475,59.357 85.475,61.523 85.852,61.9 100.406,61.9 104.14,58.166 106.147,58.166 106.401,57.912 106.401,48.209 103.911,45.72 96.774,45.72 94.209,43.155 93.022,43.155 92.71,43.467 92.71,45.593 92.704,45.599 92.689,45.599 92.292,45.996 J1.3@91.842,45.996
DO: J1.7 U8.12 | length 28.2
  Bottom Layer w0.2: U8.12@85.475,53.687 85.475,52.832 85.221,52.578 83.769,52.578 83.515,52.832 83.515,55.88 84.054,56.419 90.023,56.419 91.034,57.429 94.818,57.429 96.368,55.88 96.368,51.756 94.523,49.911 93.566,49.911 J1.7@93.347,50.13
GND: C25.- C26.1 C27.1 C28.1 J1.6 J1.10 J1.11 J1.12 J1.13 U8.1 U8.4 U8.7 U8.10 U8.13 | length 87.6
  Top Layer w0.56: 94.996,44.392 v2@95.94,43.246 ; v2(95.86,43.18) 96.622,42.418 C25.-@98.679,42.418
  Top Layer w0.76: v2(88.075,57.657) 88.9,57.657 ; 88.443,54.864 88.443,57.2 88.9,57.657 ; 89.348,54.707 95.523,48.532 ; C26.1@91.44,57.657 C28.1@89.662,57.657 88.9,57.657 ; 94.844,47.853 95.523,48.532 ; 98.781,48.513 C27.1@96.393,48.513 95.523,48.532
  Top Layer w0.8: 88.443,54.864 88.6,54.707 89.348,54.707 ; 94.844,47.853 94.996,47.7 94.996,44.392 ; 98.781,48.513 v2(100.045,49.777)
  Bottom Layer w0.284: U8.1@84.175,59.357 84.175,57.825 84.342,57.658 86.125,57.658 ; U8.13@84.825,53.687 84.825,54.599 85.287,55.061 86.358,55.061 86.428,54.991 ; U8.4@86.125,59.357 86.125,57.658 ; U8.10@86.775,53.687 86.775,54.644 86.428,54.991 ; U8.7@88.075,59.357 v2(88.075,57.657) v2(88.075,57.657) 86.125,57.658 ; 91.821,54.102 91.821,54.634 91.464,54.991 86.428,54.991
  Bottom Layer w0.56: 91.535,54.091 ccw(c91.44,53.539) 90.882,53.576 90.656,50.074 ccw(c91.215,50.037) 91.135,49.483 92.641,49.267 cw(c92.563,48.713) 92.958,49.109 92.969,49.098 J1.6@92.971,49.097 93.218,48.85 93.749,48.85 93.83,48.768 99.036,48.768 ; 91.536,54.09 J1.10@94.569,53.565
  Bottom Layer w0.8: J1.13@89.952,39.341 92.02,39.341 ; J1.10@94.659,53.55 94.659,53.463 94.968,53.154 J1.10@94.98,53.154 ; v2(95.86,43.18) 92.02,39.341 ; J1.12@98.665,35.212 97.46,35.212 93.331,39.341 92.02,39.341 ; 99.036,48.768 v2(100.045,49.777) J1.11@103.967,49.777

## Text inside footprints (layer, text, board x,y; h text height)
U3: Top Overlay "EN" at 44.125,50.165 h1.2 r225; Top Overlay "VP" at 44.375,47.695 h1.2 r225; Top Overlay "VN" at 44.375,45.155 h1.2 r225; Top Overlay "IO34" at 45.095,42.725 h1.2 r225; Top Overlay "IO35" at 45.095,40.185 h1.2 r225; Top Overlay "IO32" at 45.095,37.645 h1.2 r225; Top Overlay "IO33" at 45.095,35.105 h1.2 r225; Top Overlay "IO25" at 45.095,32.565 h1.2 r225; Top Overlay "IO26" at 45.095,30.025 h1.2 r225; Top Overlay "IO27" at 45.095,27.485 h1.2 r225; Top Overlay "IO14" at 45.095,24.945 h1.2 r225; Top Overlay "IO12" at 45.095,22.405 h1.2 r225; Top Overlay "IO13" at 45.095,19.865 h1.2 r225; Top Overlay "GND" at 45.095,17.325 h1.2 r225; Top Overlay "VIN" at 44.605,14.775 h1.2 r225; Top Overlay "IO23" at 64.305,50.075 h1.2 r225; Top Overlay "IO22" at 64.305,47.535 h1.2 r225; Top Overlay "IO1" at 64.305,44.995 h1.2 r225; Top Overlay "IO3" at 64.305,42.455 h1.2 r225; Top Overlay "IO21" at 64.305,39.915 h1.2 r225; Top Overlay "IO19" at 64.305,37.375 h1.2 r225; Top Overlay "IO18" at 64.305,34.835 h1.2 r225; Top Overlay "IO5" at 64.305,32.295 h1.2 r225; Top Overlay "IO17" at 64.305,29.755 h1.2 r225; Top Overlay "IO16" at 64.305,27.215 h1.2 r225; Top Overlay "IO4" at 64.305,24.675 h1.2 r225; Top Overlay "IO2" at 64.305,22.135 h1.2 r225; Top Overlay "IO15" at 64.305,19.595 h1.2 r225; Top Overlay "GND" at 64.305,17.055 h1.2 r225; Top Overlay "3V3" at 64.305,14.515 h1.2 r225; Top Overlay "ESP32-DEVKITV1" at 49.53,52.324 h1.2